# KiCad board MateROV.kicad_pcb
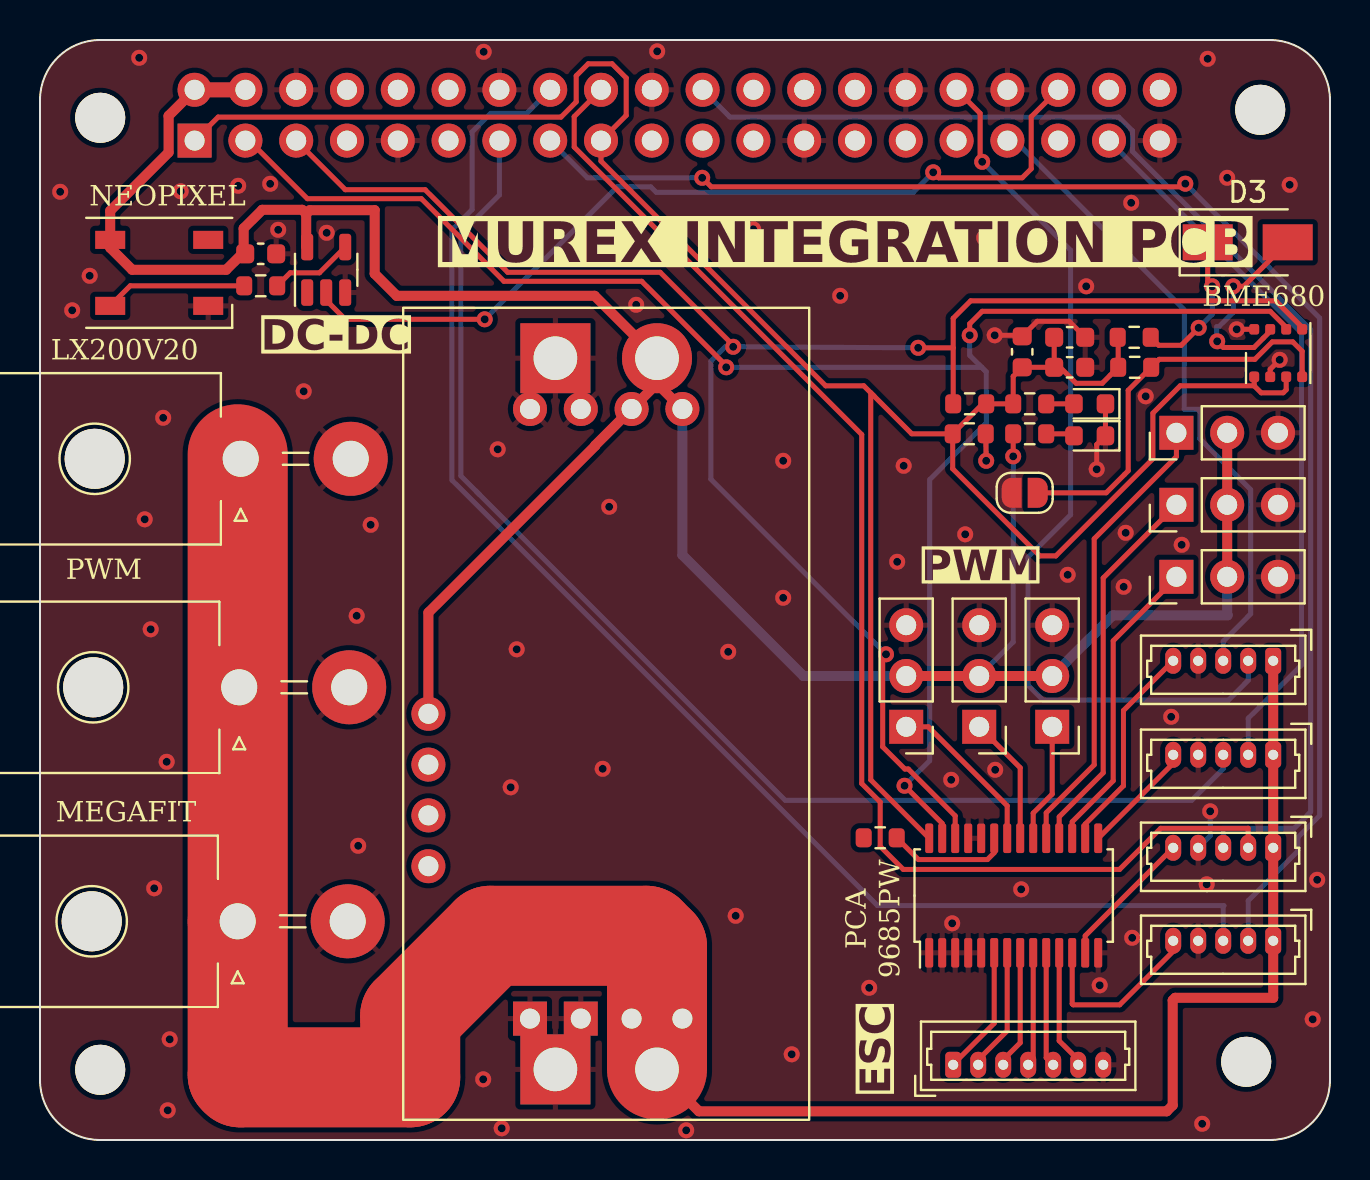
[diagram p0: board, top side]
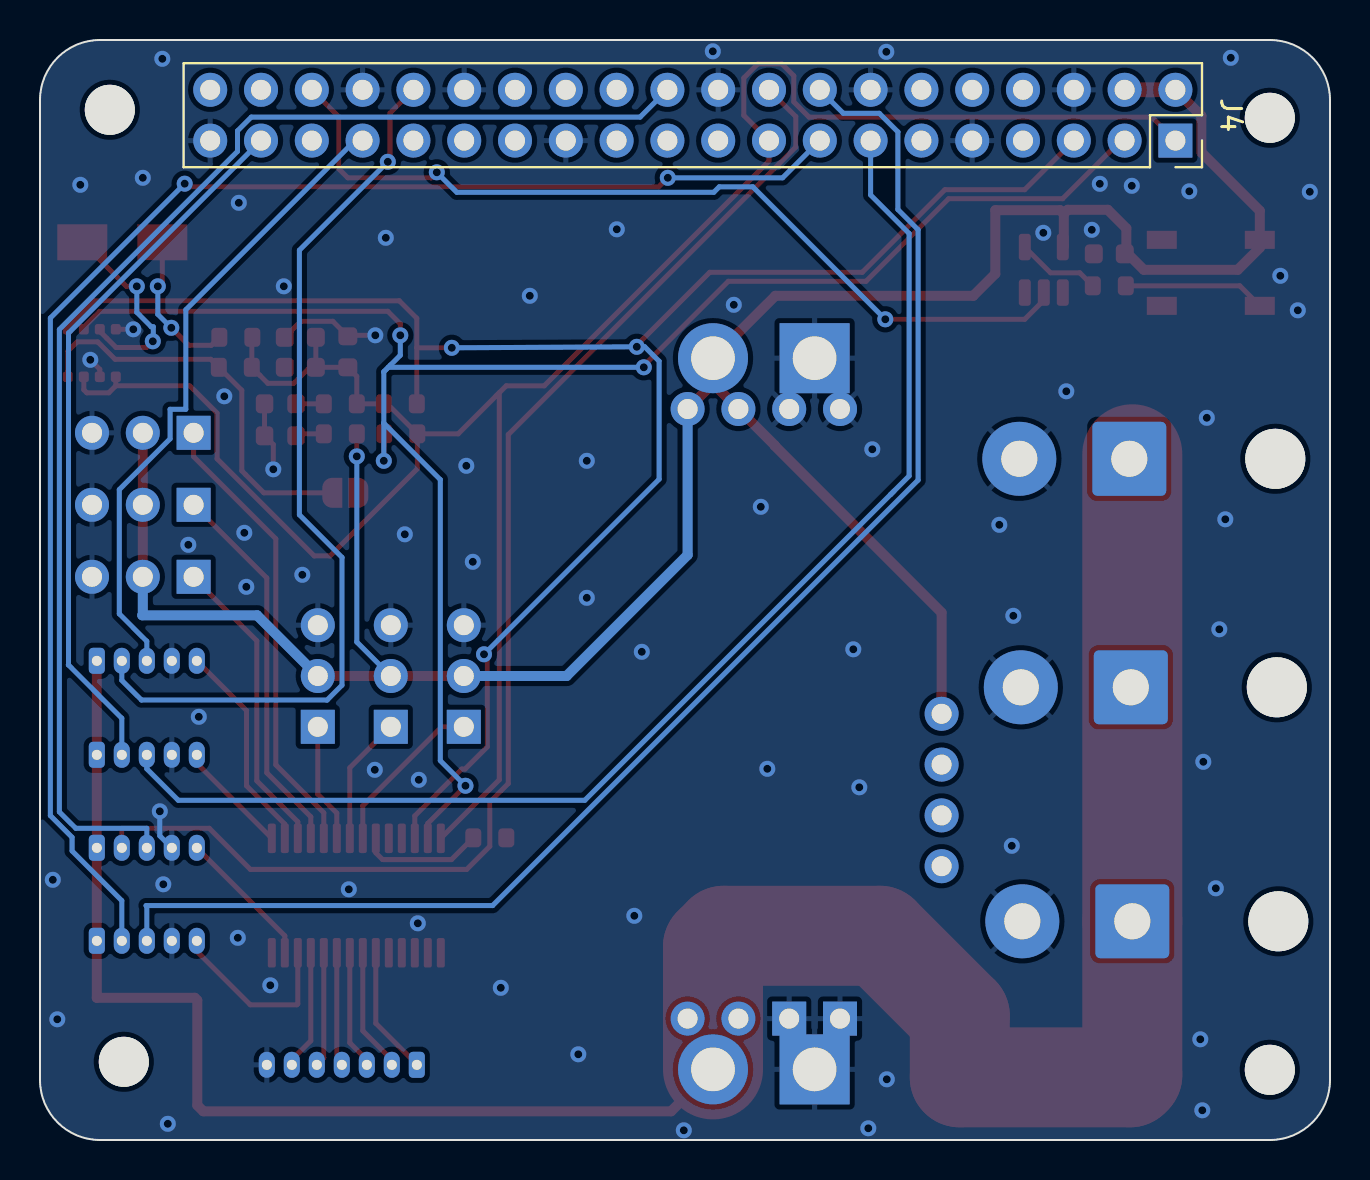
[diagram p1: board, bottom side, seen from below]

Outline 64.5 x 55 mm; copper layers: Top, Bottom. Coordinates in mm from the lower left corner of the outline.
Outline path: 0,52 0,3 arc(0.88,0.88) 3,0 61.5,0 arc(63.62,0.88) 64.5,3 64.5,52 arc(63.62,54.12) 61.5,55 3,55 arc(0.88,54.12) 0,52
Stack: Top 0.035mm / dielectric 1.51mm FR4 er 4.5 / Bottom 0.035mm

## Placement (name value [footprint] x y rotation side)
C1  10uF  [C_0603_1608Metric]  51.48 40.13 180 top
C2  10uF  [C_0603_1608Metric]  51.48 38.63 180 top
C3  0.1uF  [C_0603_1608Metric]  49.11 39.41 270 top
C4  0.1uF  [C_0603_1608Metric]  11.03 44.31 0 top
D1  LED  [LED_0603_1608Metric]  52.48 35.21 180 top
D2  LED  [LED_0603_1608Metric]  52.48 36.81 180 top
D3  DIODE  [D_SMA]  60.39 44.88 0 top
D4  WS2812B  [LED_WS2812B_PLCC4_5.0x5.0mm_P3.2mm]  5.96 43.36 0 top
H1  MountingHole  [MountingHole_2.5mm]  3.01 51.11 0 top
H2  MountingHole  [MountingHole_2.5mm]  60.31 3.91 0 top
H3  MountingHole  [MountingHole_2.5mm]  61.01 51.51 0 top
H4  MountingHole  [MountingHole_2.5mm]  3.01 3.51 0 top
J1  Conn_01x03  [PinHeader_1x03_P2.54mm_Vertical]  56.82 28.16 90 top
J2  Conn_01x03  [PinHeader_1x03_P2.54mm_Vertical]  43.31 20.66 180 top
J3  Conn_01x07  [Molex_PicoBlade_53047-0710_1x07_P1.25mm_Vertical]  45.66 3.76 0 top
J4  Raspberry_Pi_2_3  [PinSocket_2x20_P2.54mm_Vertical]  7.73 49.97 270 bottom
J5  Conn_01x03  [PinHeader_1x03_P2.54mm_Vertical]  56.82 31.76 90 top
J6  Conn_01x03  [PinHeader_1x03_P2.54mm_Vertical]  46.96 20.66 180 top
J7  Conn_01x02  [Molex_Mega-Fit_76825-0002_2x01_P5.70mm_Horizontal]  9.96 22.63 90 top
J8  Conn_01x03  [PinHeader_1x03_P2.54mm_Vertical]  56.82 35.36 90 top
J9  Conn_01x03  [PinHeader_1x03_P2.54mm_Vertical]  50.61 20.66 180 top
J10  Conn_01x02  [Molex_Mega-Fit_76825-0002_2x01_P5.70mm_Horizontal]  9.89 10.94 90 top
J11  Conn_01x02  [Molex_Mega-Fit_76825-0002_2x01_P5.70mm_Horizontal]  10.03 34.06 90 top
J12  Conn_01x05  [Molex_PicoBlade_53047-0510_1x05_P1.25mm_Vertical]  61.66 9.96 180 top
J13  Conn_01x05  [Molex_PicoBlade_53047-0510_1x05_P1.25mm_Vertical]  61.66 19.26 180 top
J14  Conn_01x05  [Molex_PicoBlade_53047-0510_1x05_P1.25mm_Vertical]  61.66 14.61 180 top
J15  Conn_01x05  [Molex_PicoBlade_53047-0510_1x05_P1.25mm_Vertical]  61.66 23.96 180 top
JP1  SolderJumper_2_Open  [SolderJumper-2_P1.3mm_Open_RoundedPad1.0x1.5mm]  49.23 32.36 180 top
R1  620  [R_0603_1608Metric]  49.48 35.31 0 top
R2  620  [R_0603_1608Metric]  49.48 36.81 0 top
R3  10k  [R_0603_1608Metric]  46.48 36.81 0 top
R4  10k  [R_0603_1608Metric]  46.46 35.31 0 top
R5  10K  [R_0603_1608Metric]  42.01 15.11 180 top
R6  10k  [R_0603_1608Metric]  54.73 38.63 0 top
R7  10k  [R_0603_1608Metric]  54.71 40.13 0 top
R8  470  [R_0603_1608Metric]  11.03 42.71 180 top
U1  ~  [Converter_DCDC_Polulu_D24V90F5]  28.31 21.31 180 top
U2  PCA9685PW  [TSSOP-28_4.4x9.7mm_P0.65mm]  48.69 12.22 90 top
U3  BME680  [Bosch_LGA-8_3x3mm_P0.8mm_ClockwisePinNumbering]  61.91 39.35 0 top
U4  SN74LV1T34DBV  [SOT-23-5]  14.31 43.51 90 top

## Library data of the parts
C1 C2 = -: Description: Capacitor symbol for simulation only; JLCPCB Part #: C96446
C3 C4 = -: Description: Capacitor symbol for simulation only; JLCPCB Part #: C1588
D1 D2 = -: Description: Light emitting diode; JLCPCB Part #: C84263
D3 = -: Description: Diode symbol for simulation only. Pin order incompatible with official kicad footprints; JLCPCB Part #: C8678
D4 = -: Description: RGB LED with integrated controller; JLCPCB Part #: C2761795
H1-H4 = -: Description: Mounting Hole without connection
J1 J2 J5 J6 J8 J9 = -: Description: Generic connector, single row, 01x03, script generated (kicad-library-utils/schlib/autogen/connector/)
J3 = -: Description: Generic connector, single row, 01x07, script generated (kicad-library-utils/schlib/autogen/connector/)
J4 = -: Description: expansion header for Raspberry Pi 2 & 3
J7 J10 J11 = -: Description: Generic connector, single row, 01x02, script generated (kicad-library-utils/schlib/autogen/connector/)
J12-J15 = -: Description: Generic connector, single row, 01x05, script generated (kicad-library-utils/schlib/autogen/connector/)
JP1 = -: Description: Solder Jumper, 2-pole, open
R1 R2 = -: Description: Resistor; JLCPCB Part #: C17798
R3-R7 = -: Description: Resistor; JLCPCB Part #: C98220
R8 = -: Description: Resistor; JLCPCB Part #: C23179
U2 = -: Description: 16-channel 12-bit PWM Fm+ I2C-bus LED controller RGBA TSSOP; JLCPCB Part #: C2678753
U3 = -: Description: 4-in-1 sensor, gas, humidity, pressure, temperature, I2C and SPI interface, 1.71-3.6V, LGA-8; JLCPCB Part #: C125972
U4 = -: Description: Single Power Supply, Single Buffer GATE, CMOS Logic, Level Shifter, SOT-23-5; JLCPCB Part #: C100024

## Footprints (pads in the part's own frame, mm; a bottom-side part is the same pattern mirrored in y, then rotated)
Bosch_LGA-8_3x3mm_P0.8mm_ClockwisePinNumbering
  rrect 0.5x0.525 smd: 1(-1.2,1.188) 2(-0.4,1.188) 3(0.4,1.188) 4(1.2,1.188) 5(1.2,-1.188) 6(0.4,-1.188) 7(-0.4,-1.188) 8(-1.2,-1.188)
C_0603_1608Metric
  rrect 0.9x0.95 smd: 1(-0.775,0) 2(0.775,0)
Converter_DCDC_Polulu_D24V90F5
  rect 1.7x1.7 hole 1: 1(1.27,15.24) 1(3.81,15.24)
  round 1.7 hole 1: 1(1.27,-15.24) 1(3.81,-15.24) 2(-1.27,15.24) 3(-3.81,-15.24) 3(-1.27,-15.24) 3(8.89,0) 4(8.89,5.08) 5(8.89,2.54) 6(8.89,7.62)
  rect 3.5x3.5 hole 2.18: 1(2.54,17.78) 1(2.54,-17.78)
  oval 1.7x1.7 hole 1: 2(-3.81,15.24)
  round 3.5 hole 2.18: 2(-2.54,17.78) 3(-2.54,-17.78)
D_SMA
  rect 2.5x1.8 smd: 1(-2,0) 2(2,0)
LED_0603_1608Metric
  rrect 0.875x0.95 smd: 1(-0.787,0) 2(0.787,0)
LED_WS2812B_PLCC4_5.0x5.0mm_P3.2mm
  rect 1.5x0.9 smd: 1(-2.45,1.65) 2(-2.45,-1.65) 3(2.45,-1.65) 4(2.45,1.65)
Molex_Mega-Fit_76825-0002_2x01_P5.70mm_Horizontal
  round 3 hole 3 unplated: (0,7.3)
  rrect 3.7x3.7 hole 1.8: 1(0,0)
  round 3.7 hole 1.8: 2(0,-5.5)
Molex_PicoBlade_53047-0510_1x05_P1.25mm_Vertical
  rrect 0.8x1.3 hole 0.5: 1(0,0)
  oval 0.8x1.3 hole 0.5: 2(1.25,0) 3(2.5,0) 4(3.75,0) 5(5,0)
Molex_PicoBlade_53047-0710_1x07_P1.25mm_Vertical
  rrect 0.8x1.3 hole 0.5: 1(0,0)
  oval 0.8x1.3 hole 0.5: 2(1.25,0) 3(2.5,0) 4(3.75,0) 5(5,0) 6(6.25,0) 7(7.5,0)
MountingHole_2.5mm
  round 2.5 hole 2.5 unplated: (0,0)
PinHeader_1x03_P2.54mm_Vertical
  rect 1.7x1.7 hole 1: 1(0,0)
  oval 1.7x1.7 hole 1: 2(0,-2.54) 3(0,-5.08)
PinSocket_2x20_P2.54mm_Vertical
  rect 1.7x1.7 hole 1: 1(0,0)
  oval 1.7x1.7 hole 1: 2(-2.54,0) 3(0,-2.54) 4(-2.54,-2.54) 5(0,-5.08) 6(-2.54,-5.08) 7(0,-7.62) 8(-2.54,-7.62) 9(0,-10.16) 10(-2.54,-10.16) 11(0,-12.7) 12(-2.54,-12.7) 13(0,-15.24) 14(-2.54,-15.24) 15(0,-17.78) 16(-2.54,-17.78) 17(0,-20.32) 18(-2.54,-20.32) 19(0,-22.86) 20(-2.54,-22.86) 21(0,-25.4) 22(-2.54,-25.4) 23(0,-27.94) 24(-2.54,-27.94) 25(0,-30.48) 26(-2.54,-30.48) 27(0,-33.02) 28(-2.54,-33.02) 29(0,-35.56) 30(-2.54,-35.56) 31(0,-38.1) 32(-2.54,-38.1) 33(0,-40.64) 34(-2.54,-40.64) 35(0,-43.18) 36(-2.54,-43.18) 37(0,-45.72) 38(-2.54,-45.72) 39(0,-48.26) 40(-2.54,-48.26)
R_0603_1608Metric
  rrect 0.8x0.95 smd: 1(-0.825,0) 2(0.825,0)
SolderJumper-2_P1.3mm_Open_RoundedPad1.0x1.5mm
  custom 1x1.5 smd: 1(-0.65,0) 2(0.65,0)
SOT-23-5
  rrect 1.325x0.6 smd: 1(-1.137,0.95) 2(-1.137,0) 3(-1.137,-0.95) 4(1.137,-0.95) 5(1.137,0.95)
TSSOP-28_4.4x9.7mm_P0.65mm
  rrect 1.475x0.4 smd: 1(-2.862,4.225) 2(-2.862,3.575) 3(-2.862,2.925) 4(-2.862,2.275) 5(-2.862,1.625) 6(-2.862,0.975) 7(-2.862,0.325) 8(-2.862,-0.325) 9(-2.862,-0.975) 10(-2.862,-1.625) 11(-2.862,-2.275) 12(-2.862,-2.925) 13(-2.862,-3.575) 14(-2.862,-4.225) 15(2.862,-4.225) 16(2.862,-3.575) 17(2.862,-2.925) 18(2.862,-2.275) 19(2.862,-1.625) 20(2.862,-0.975) 21(2.862,-0.325) 22(2.862,0.325) 23(2.862,0.975) 24(2.862,1.625) 25(2.862,2.275) 26(2.862,2.925) 27(2.862,3.575) 28(2.862,4.225)

## Nets
+3.3V: C1.2 C2.2 C3.2 J4.1 J4.17 R2.1 R3.2 R4.1 R6.1 R7.1 U2.28 U3.6 U3.8
+5V: C4.1 D4.1 J1.2 J2.2 J4.2 J4.4 J5.2 J6.2 J8.2 J9.2 R1.1 U1.3 U4.5
+12V: J7.1 J10.1 J11.1 J12.1 J13.1 J14.1 J15.1 U1.2
GND: C1.1 C2.1 C3.1 C4.2 D1.1 D2.1 D4.3 J1.3 J2.3 J3.7 J4.6 J4.9 J4.14 J4.20 J4.25 J4.30 J4.34 J4.39 J5.3 J6.3 J7.2 J8.3 J9.3 J10.2 J11.2 J12.4 J13.4 J14.4 J15.4 JP1.2 U1.1 U2.1 U2.2 U2.3 U2.4 U2.5 U2.14 U2.24 U2.25 U3.1 U3.7 U4.3
CW/CCW_0: J4.16 J12.3
CW/CCW_1: J4.22 J14.3
CW/CCW_2: J4.13 J13.3
CW/CCW_3: J4.33 J15.3
FG_0: J4.15 J12.2
FG_1: J4.18 J14.2
FG_2: J4.37 J13.2
FG_3: J4.32 J15.2
NEOPIXEL_IN: J4.36 U4.2
PWM_0: J12.5 U2.12
PWM_1: J14.5 U2.13
PWM_2: J13.5 U2.15
PWM_3: J15.5 U2.16
PWM_4: J1.1 U2.17
PWM_5: J5.1 U2.18
PWM_6: J8.1 U2.19
PWM_7: J9.1 U2.20
PWM_8: J6.1 U2.21
PWM_9: J2.1 U2.22
PWM_BL: J3.3 U2.8
PWM_BR: J3.4 U2.9
PWM_FL: J3.1 U2.6
PWM_FR: J3.2 U2.7
PWM_V1: J3.5 U2.10
PWM_V2: J3.6 U2.11
SCL: J4.5 R3.1 U2.26 U3.4
SDA: J4.3 R4.2 U2.27 U3.3
Net-(D1-A): D1.2 R1.2
Net-(D2-A): D2.2 R2.2
Net-(D3-A): D3.2 U3.2
Net-(D3-K): D3.1 R7.2
Net-(D4-DOUT): D4.2 R8.2
Net-(JP1-A): JP1.1 R6.2 U3.5
Net-(U2-~{OE}): R5.1 U2.23
Net-(U4-Y): R8.1 U4.4

Pads without a net: D4 4; J4 7 8 10 11 12 19 21 23 24 26 27 28 29 31 35 38 40; R5 2; U1 4 5 6; U4 1

## Via types
v1: diameter 0.8, hole 0.4, Top to Bottom, 86 vias

## Routing (per net, layer and track width the routed paths; a pad name or vN(x,y) marks a point on that pad's centre or on a via; arc(x,y) is an arc through that point)
+3.3V: length 116.4
  Top w0.25: 53.91,38.63 R6.1 ; 53.91,38.63 R6.1 ; 53.91,38.63 53.11,37.83 51.81,37.83 51.01,38.63 C2.2 ; R6.1 53.91,40.11 R7.1 ; 60.71,37.71 61.06,37.36 62.16,37.36 62.31,37.51 U3.6 ; 60.71,37.71 57.01,37.71 55.64,36.34 55.64,34.06 50.79,29.2 49.99,29.2 45.64,33.56 R4.1 ; 60.71,37.71 U3.8 ; C2.2 C3.2 48.66,38.19 R2.1 R3.2 47.14,36.81 R4.1 ; C2.2 50.71,39.01 C1.2 ; 41.7,37.2 41.54,37.36 41.54,18.01 U2.28 ; 41.7,37.2 41.19,37.71 39.28,37.71 28.05,48.94 J4.17 29.31,51.23 29.31,53.1 28.6,53.81 27.41,53.81 26.81,53.21 26.81,51.91 26.05,51.14 8.91,51.14 J4.1 ; 41.7,37.2 43.59,35.31 R4.1
+5V: length 133.6
  Top w0.25: 10.11,44.31 C4.1 10.18,44.23 ; v1(48.66,34.18) R1.1
  Top w0.5: 10.11,44.31 9.31,43.51 4.61,43.51 3.51,44.61 D4.1 3.51,46.46 6.43,49.38 6.43,51.21 J4.2 ; J2.2 J6.2 J9.2 ; U4.5 13.31,44.7 13.31,46.31 ; J1.2 J5.2 J8.2 ; 13.31,46.31 13.49,46.49 16.73,46.49 16.73,43.31 17.84,42.21 27.73,42.21 U1.3 30.85,37.82 ; 13.31,46.31 13.11,46.51 11.11,46.51 10.18,45.58 10.18,44.23 ; 30.85,37.82 U1.3 27.76,34.73 27.76,34.71 19.42,26.37 U1.3 ; 30.85,37.82 U1.3
  Top w0.75: J4.2 J4.4
  Bottom w0.25: v1(48.66,34.18) 48.66,24.9 J6.2
  Bottom w0.5: J2.2 38.17,23.2 32.12,29.25 U1.3 ; J9.2 53.64,26.23 59.39,26.23 59.36,26.26 J1.2
+12V: length 121.1
  Top w0.25: U1.2 30.94,6.07 30.94,5.16 30.85,5.06 ; U1.2 30.11,6.6 30.85,6.6 ; 10.11,34.51 9.89,34.28
  Top w0.5: J15.1 J13.1 J14.1 J12.1 61.66,7.11 56.76,7.11 56.64,6.98 56.64,1.73 56.34,1.44 32.95,1.44 U1.2
  Top w5: U1.2 30.85,9.67 30.31,10.21 22.51,10.21 18.51,6.21 18.51,3.13 10.01,3.13 9.89,3.26 J10.1 9.89,34.28
GND: length 12.6
  Top w0.25: 49.03,40.26 49.06,40.23 v1(47.73,40.23) ; U3.7 61.51,38.53 v1(61.98,39.01) ; C1.1 51.46,40.93 49.86,40.93 C3.1 ; D2.1 D1.1 52.84,34.77 v1(52.84,33.53) ; v1(59.84,40.53) U3.1
  Bottom w0.25: J14.4 58.51,15.21 v1(58.51,16.44)
  vias: v1(1.01,47.41) v1(1.61,41.48) v1(2.48,43.21) v1(4.96,54.11) v1(5.23,31.03) v1(5.53,25.53) v1(5.71,12.58) v1(6.16,36.11) v1(6.34,18.91) v1(6.39,1.48) v1(6.48,5.03) v1(7.03,47.43) v1(9.91,47.71) v1(11.51,47.81) v1(11.91,45.51) v1(13.19,37.43) v1(14.34,45.36) v1(15.84,26.21) v1(15.91,14.71) v1(16.53,30.76) v1(22.16,3.03) v1(22.19,54.41) v1(22.89,34.53) v1(23.09,0.58) v1(23.53,17.63) v1(23.84,24.53) v1(28.14,18.56) v1(28.46,31.66) v1(29.81,41.76) v1(30.86,54.43) v1(32.31,0.48) v1(34.41,24.41) v1(34.78,11.21) v1(35.66,45.53) v1(37.16,33.96) v1(37.16,27.11) v1(37.59,4.28) v1(40.01,42.21) v1(41.46,7.61) v1(42.86,28.91) v1(43.19,33.71) v1(45.56,18.01) v1(45.61,10.83) v1(46.26,30.28) v1(47.21,45.11) v1(47.76,18.51) v1(49.06,12.53) v1(51.39,28.26) v1(52.31,42.68) v1(52.98,7.73) v1(54.19,27.66) v1(54.28,30.36) v1(54.56,46.86) v1(54.61,10.11) v1(55.28,37.18) v1(56.56,21.16) v1(57.09,29.76) v1(58.11,0.81) v1(58.34,12.78) v1(58.39,54.06) v1(59.36,48.11) v1(62.48,47.76) v1(63.64,6.03) v1(63.86,13.01)
CW/CCW_0: length 71.8
  Bottom w0.25: J4.16 24.34,51.33 22.53,51.33 21.61,50.4 21.61,46.52 20.6,45.51 20.6,33 41.87,11.72 59.2,11.72 59.16,11.69 J12.3
CW/CCW_1: length 65.8
  Bottom w0.25: J4.22 34.5,51.14 53.94,51.14 54.62,50.46 54.62,49.43 63.53,40.52 63.53,16.41 62.71,15.59 59.16,15.59 J14.3
CW/CCW_2: length 64
  Bottom w0.25: J13.3 59.16,18.56 57.59,16.98 37.26,16.98 21.97,32.27 ; 21.97,32.27 21.05,33.2 21.05,45.33 22.97,47.25 J4.13 ; 21.97,32.27 21.8,32.45
CW/CCW_3: length 32.3
  Bottom w0.25: J15.3 59.16,24.94 60.53,26.31 60.53,32.52 58,35.06 58,36.53 57.21,36.53 57.21,41.51 48.75,49.97 J4.33
FG_0: length 74.9
  Top w0.25: v1(33.11,48.11) 33.56,47.66 57.11,47.66 v1(57.27,47.82)
  Bottom w0.25: v1(33.11,48.11) 27.37,48.11 J4.15 ; v1(57.27,47.82) 63.98,41.1 63.98,16.22 62.9,15.14 62.9,14.45 60.41,11.97 J12.2
FG_1: length 65.4
  Top w0.25: J14.2 60.41,15.59 56.03,15.59 53.98,13.53 43.16,13.53 42.01,14.68 42.01,16.9 41.09,17.82 41.09,35.27 26.71,49.65 26.71,51.17 J4.18
FG_2: length 35.8
  Bottom w0.25: J13.2 60.41,21.09 63.08,23.76 63.08,23.76 63.08,40.34 J4.37
FG_3: length 45.7
  Top w0.25: v1(47.11,48.91) 47,49.01 47,51.33 J4.32
  Bottom w0.25: J15.2 60.41,22.98 59.42,22 50.14,22 49.4,22.74 49.4,29.13 51.53,31.26 51.53,44.49 v1(47.11,48.91)
NEOPIXEL_IN: length 44.1
  Top w0.25: J4.36 49.56,51.16 49.56,48.56 49.11,48.11 44.93,48.11 v1(44.66,48.38) ; v1(22.23,41.03) 15.26,41.03 14.31,41.99 U4.2
  Bottom w0.25: v1(44.66,48.38) 43.66,47.38 30.81,47.38 30.53,47.66 28.86,47.66 v1(22.23,41.03)
PWM_0: length 9.3
  Top w0.25: U2.12 51.61,6.81 51.66,6.76 53.98,6.76 56.66,9.44 J12.5
PWM_1: length 7.1
  Top w0.25: J14.5 52.26,10.21 U2.13
PWM_2: length 5.7
  Top w0.25: U2.15 56.66,18.83 J13.5
PWM_3: length 10.7
  Top w0.25: U2.16 52.26,15.8 54.17,17.71 54.17,21.47 J15.5
PWM_4: length 15.2
  Top w0.25: J1.1 56.82,28.12 53.66,24.96 53.66,17.96 51.61,15.91 U2.17
PWM_5: length 19.1
  Top w0.25: U2.18 50.96,16.16 53.16,18.36 53.16,28.1 J5.1
PWM_6: length 23
  Top w0.25: U2.19 50.31,16.36 52.71,18.76 52.71,30.06 56.82,34.17 J8.1
PWM_7: length 6
  Top w0.25: J9.1 50.61,17.3 49.66,16.35 U2.20
PWM_8: length 6.4
  Top w0.25: U2.21 49.01,18.61 J6.1
PWM_9: length 8.3
  Top w0.25: U2.22 48.36,16.71 44.41,20.66 J2.1
PWM_BL: length 6
  Top w0.25: J3.3 48.16,4.01 49.01,4.86 U2.8
PWM_BR: length 5.7
  Top w0.25: J3.4 49.66,4.01 U2.9
PWM_FL: length 6.4
  Top w0.25: J3.1 45.66,3.79 47.71,5.84 U2.6
PWM_FR: length 6.2
  Top w0.25: J3.2 46.91,4.01 48.36,5.46 U2.7
PWM_V1: length 5.7
  Top w0.25: U2.10 50.31,4.11 J3.5
PWM_V2: length 6
  Top w0.25: J3.6 51.91,4.01 50.96,4.96 U2.11
SCL: length 90.7
  Top w0.25: 63.11,40.61 63.11,40.61 U3.4 ; 63.11,40.61 63.11,40.63 61.78,41.96 46.53,41.96 45.66,41.08 45.66,39.61 ; 63.11,40.61 63.11,40.58 ; J4.5 15.27,47.51 19.25,47.51 23.39,43.38 31.01,43.38 34.66,39.73 ; U2.26 45.76,16.2 43.42,18.55 43.24,18.55 42.13,19.66 42.13,24.12 v1(42.3,24.29) ; R3.1 45.66,39.61 ; 45.66,39.61 v1(43.91,39.61) ; 34.66,39.73 34.73,39.66 v1(34.66,39.66) 34.66,39.73
  Bottom w0.25: v1(43.91,39.61) v1(34.66,39.66) 34.26,39.66 33.54,38.94 33.54,33.04 v1(42.3,24.29)
SDA: length 90.4
  Top w0.25: 34.31,38.71 v1(34.31,38.63) 34.39,38.63 34.31,38.71 ; 34.31,38.71 30.09,42.93 23.2,42.93 19.07,47.06 13.37,47.06 10.46,49.97 J4.3 ; 62.31,40.61 62.31,40.63 61.51,41.43 47.11,41.43 46.48,40.81 v1(46.48,40.23) ; 62.31,40.61 62.31,40.58 ; 62.31,40.61 62.31,40.61 U3.3 ; R4.2 v1(47.31,33.96) ; U2.27 45.11,15.83 v1(43.23,17.71)
  Bottom w0.25: 47.31,35.84 44.48,33.02 44.48,18.97 v1(43.23,17.71) ; 47.31,35.84 47.31,38.41 ; 47.31,35.84 v1(47.31,33.96) ; v1(46.48,40.23) 46.48,39.23 46.96,38.76 47,38.72 47.31,38.41 ; 47.31,38.41 47.09,38.63 v1(34.31,38.63)
Net-(D1-A): length 1.4
  Top w0.25: R1.2 51.6,35.31 D1.2
Net-(D2-A): length 1.4
  Top w0.25: R2.2 D2.2
Net-(D3-A): length 10.1
  Top w0.25: v1(59.66,42.68) 60.18,42.68 D3.2 ; 61.51,40.44 U3.2 61.51,40.44 ; 61.51,40.44 60.7,39.62 59.17,39.62 v1(58.86,39.93)
  Bottom w0.25: v1(58.86,39.93) 58.84,39.96 58.84,40.66 58.93,40.66 59.66,41.39 v1(59.66,42.68)
Net-(D3-K): length 7.6
  Top w0.25: v1(57.93,40.61) 57.06,39.73 55.93,39.73 R7.2 ; v1(58.61,42.68) 58.39,42.91 D3.1
  Bottom w0.25: v1(57.93,40.61) 58.61,41.29 v1(58.61,42.68)
Net-(D4-DOUT): length 7.1
  Top w0.25: R8.2 4.51,42.71 D4.2
Net-(JP1-A): length 20.5
  Top w0.25: 63.11,38.41 63.11,38.4 ; 63.11,38.4 63.11,38.32 ; 63.11,38.4 U3.5 63.11,39.44 62.64,39.91 61.61,39.91 60.74,39.03 55.96,39.03 R6.2 55.56,38.63 54.41,37.49 54.41,33.46 53.31,32.36 JP1.1
Net-(U2-~{OE}): length 6.2
  Top w0.25: U2.23 47.71,14.36 47.37,14.02 43.92,14.02 R5.1
Net-(U4-Y): length 4.2
  Top w0.25: U4.4 13.97,43.36 12.51,43.36 R8.1

## Copper pours and planes (outline as drawn; the poured copper is in the pictures)
GND on Top, Bottom: -1.86,56.9 67.99,56.9 67.99,-14.22 -1.86,-14.22

## Text on the board
F.Silkscreen: LX200V20 | MEGAFIT | PWM | NEOPIXEL | BME680 | PCA / 9685PW | DC-DC | ESC | MUREX INTEGRATION PCB
